# Altium PCB CFD_V1.03.PcbDoc (part 8 of 10)
Units mm, origin at the board's own origin, x right, y up, seen from the top; angles counter-clockwise.
Board outline 96.25 x 362.25 mm, 6 copper layers (Top, L2, L3, L4, L5, Bot), stack 1.496 mm thick; 1353 components, 761 nets, 4147 pads, 1354 vias.
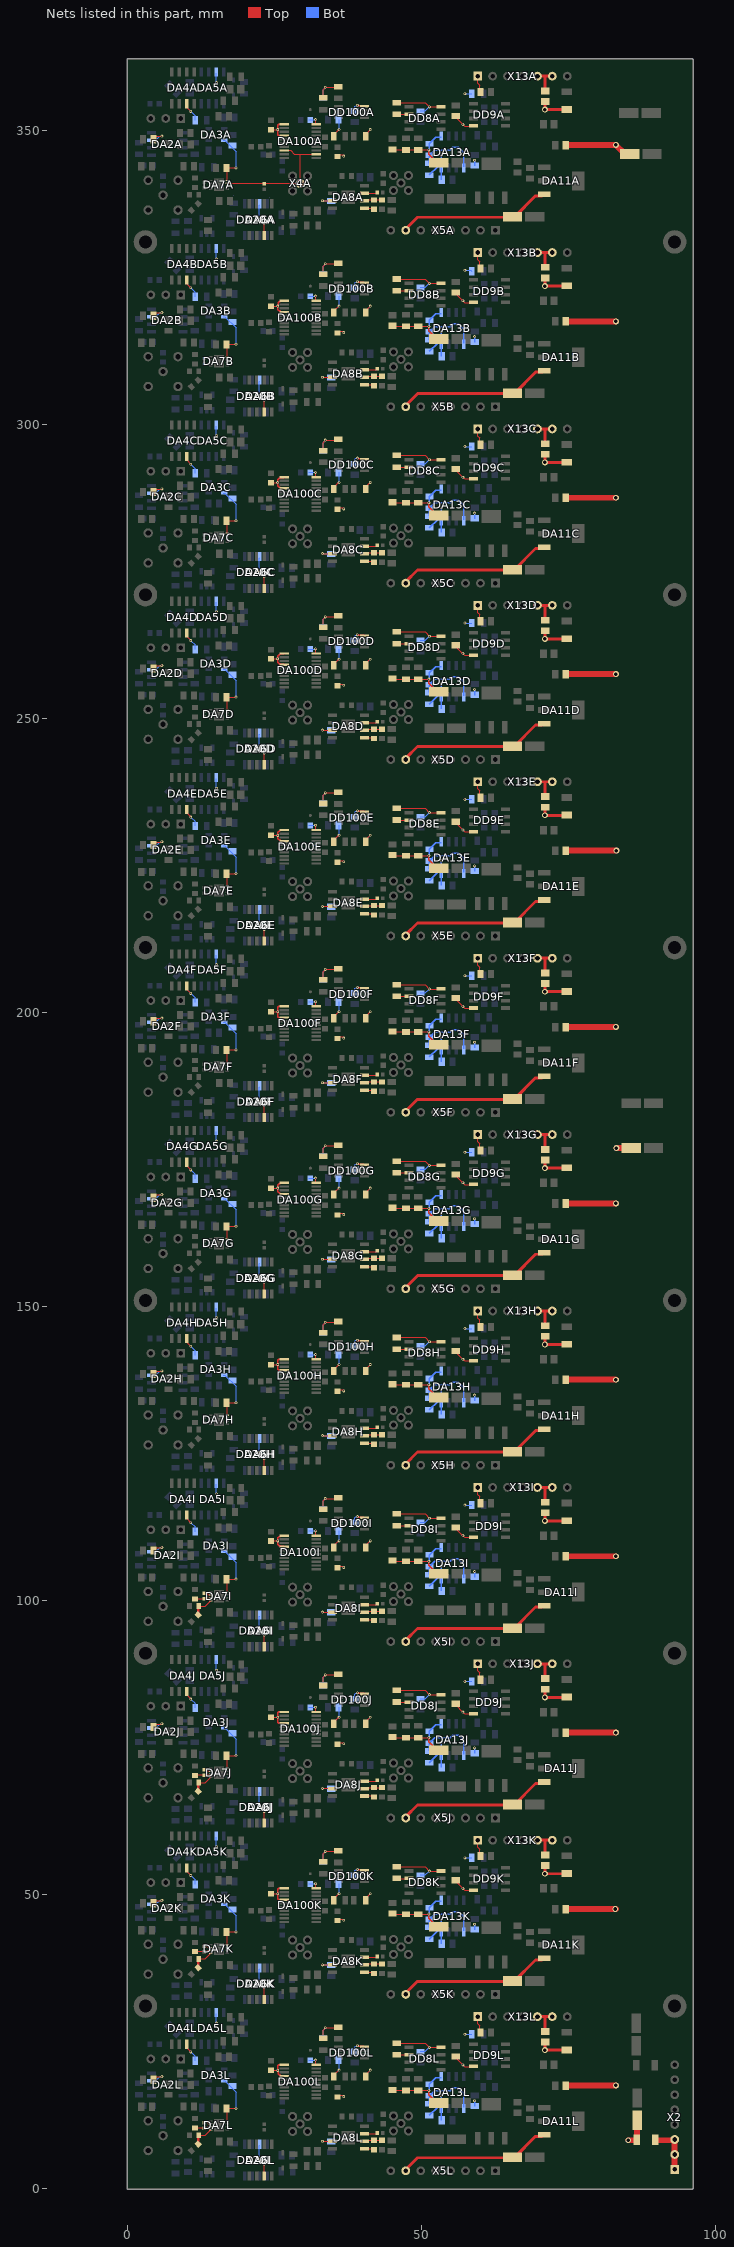
[diagram p12: the nets of this part, all layers, seen from the top]

## Via types
v1: diameter 0.48, hole 0.25, Top to Bot, tented both sides, 1301 vias
v2: diameter 1, hole 0.6, Top to Bot, tented both sides, 46 vias
v3: diameter 0.2/0.48/0.48/0.48/0.48/0.48 (per signal layer), hole 0.25, Top to Bot, tented both sides, 3 vias
v4: diameter 0.2/0/0/0/0/0.48 (per signal layer), hole 0.25, Top to Bot, tented both sides, 3 vias
v5: diameter 0.48/0.48/0.48/0.48/0.48/0.48 (per signal layer), hole 0.25, Top to Bot, tented both sides, 1 vias

## Nets (pads, with @x,y where several pads share a name; then routed paths per layer and width w, separated by ;. In a path a pad name is that pad's centre, name@x,y a point inside that pad or via, vN(x,y) a via of type N, cw(c..) or ccw(c..) an arc to the next point about the centre after c; other vN are vias at no path point) (continued)
NetDA7I_2: DA7I.2 R6I.2 | length 1.2
  Top w0.15: R6I.2@13,101.2 13.4,101.2 13.65,100.95 DA7I.2@14.1,100.95
NetDA7I_3: DA7I.3 R6I.1 R40I.2 | length 2.8
  Top w0.15: R40I.2@11.4,100.3 13,100.3 13.4,100.3 13.55,100.45 DA7I.3@14.1,100.45
NetDA7I_4: DA7I.4 R2I.2 R4I.2 | length 4.1
  Top w0.15: R2I.2@12,99 13.15,99 DA7I.4@14.1,99.95
  Top w0.4: R4I.2@12,97.415 R2I.2@12,99
NetDA7J_2: DA7J.2 R6J.2 | length 1.2
  Top w0.15: R6J.2@13,71.2 13.4,71.2 13.65,70.95 DA7J.2@14.1,70.95
NetDA7J_3: DA7J.3 R6J.1 R40J.2 | length 2.8
  Top w0.15: R40J.2@11.4,70.3 13,70.3 13.4,70.3 13.55,70.45 DA7J.3@14.1,70.45
NetDA7J_4: DA7J.4 R2J.2 R4J.2 | length 4.1
  Top w0.15: R2J.2@12,69 13.15,69 DA7J.4@14.1,69.95
  Top w0.4: R4J.2@12,67.415 R2J.2@12,69
NetDA7K_2: DA7K.2 R6K.2 | length 1.2
  Top w0.15: R6K.2@13,41.2 13.4,41.2 13.65,40.95 DA7K.2@14.1,40.95
NetDA7K_3: DA7K.3 R6K.1 R40K.2 | length 2.8
  Top w0.15: R40K.2@11.4,40.3 13,40.3 13.4,40.3 13.55,40.45 DA7K.3@14.1,40.45
NetDA7K_4: DA7K.4 R2K.2 R4K.2 | length 4.1
  Top w0.15: R2K.2@12,39 13.15,39 DA7K.4@14.1,39.95
  Top w0.4: R4K.2@12,37.415 R2K.2@12,39
NetDA7L_2: DA7L.2 R6L.2 | length 1.2
  Top w0.15: R6L.2@13,11.2 13.4,11.2 13.65,10.95 DA7L.2@14.1,10.95
NetDA7L_3: DA7L.3 R6L.1 R40L.2 | length 2.8
  Top w0.15: R40L.2@11.4,10.3 13,10.3 13.4,10.3 13.55,10.45 DA7L.3@14.1,10.45
NetDA7L_4: DA7L.4 R2L.2 R4L.2 | length 4.1
  Top w0.15: R2L.2@12,9 13.15,9 DA7L.4@14.1,9.95
  Top w0.4: R4L.2@12,7.415 R2L.2@12,9
NetDA8A_1: DA8A.1 R19A.2 | length 1.5
  Top w0.15: DA8A.1@40.225,336.721 R19A.2@41.713,336.721
NetDA8A_2: DA8A.2 R19A.1 R21A.2 | length 3.1
  Top w0.15: DA8A.2@40.225,337.991 40.384,338.151 R19A.1@41.883,338.151 R21A.2@43.235,338.151
NetDA8A_3: DA8A.3 R306A.2 | length 2.2
  Top w0.15: DA8A.3@40.225,339.261 42.235,339.261 R306A.2@42.391,339.417
NetDA8B_1: DA8B.1 R19B.2 | length 1.5
  Top w0.15: DA8B.1@40.225,306.721 R19B.2@41.713,306.721 ; R19B.2@41.833,306.551 R19B.2@41.883,306.551
NetDA8B_2: DA8B.2 R19B.1 R21B.2 | length 3.1
  Top w0.15: DA8B.2@40.225,307.991 40.384,308.151 R19B.1@41.883,308.151 R21B.2@43.235,308.151
NetDA8B_3: DA8B.3 R306B.2 | length 2.2
  Top w0.15: DA8B.3@40.225,309.261 42.235,309.261 R306B.2@42.391,309.417
NetDA8C_1: DA8C.1 R19C.2 | length 1.5
  Top w0.15: DA8C.1@40.225,276.721 R19C.2@41.713,276.721 ; R19C.2@41.833,276.551 R19C.2@41.883,276.551
NetDA8C_2: DA8C.2 R19C.1 R21C.2 | length 3.1
  Top w0.15: DA8C.2@40.225,277.991 40.384,278.151 R19C.1@41.883,278.151 R21C.2@43.234,278.151
NetDA8C_3: DA8C.3 R306C.2 | length 2.2
  Top w0.15: DA8C.3@40.225,279.261 42.235,279.262 R306C.2@42.391,279.417
NetDA8D_1: DA8D.1 R19D.2 | length 1.5
  Top w0.15: DA8D.1@40.225,246.721 R19D.2@41.713,246.721 ; R19D.2@41.833,246.551 R19D.2@41.883,246.551
NetDA8D_2: DA8D.2 R19D.1 R21D.2 | length 3.1
  Top w0.15: DA8D.2@40.225,247.991 40.384,248.151 R19D.1@41.883,248.151 R21D.2@43.234,248.151
NetDA8D_3: DA8D.3 R306D.2 | length 2.2
  Top w0.15: DA8D.3@40.225,249.261 42.235,249.262 R306D.2@42.391,249.417
NetDA8E_1: DA8E.1 R19E.2 | length 1.5
  Top w0.15: DA8E.1@40.225,216.721 R19E.2@41.713,216.721 ; R19E.2@41.833,216.551 R19E.2@41.883,216.551
NetDA8E_2: DA8E.2 R19E.1 R21E.2 | length 3.1
  Top w0.15: DA8E.2@40.225,217.991 40.384,218.151 R19E.1@41.883,218.151 R21E.2@43.234,218.151
NetDA8E_3: DA8E.3 R306E.2 | length 2.2
  Top w0.15: DA8E.3@40.225,219.261 42.235,219.262 R306E.2@42.391,219.417
NetDA8F_1: DA8F.1 R19F.2 | length 1.5
  Top w0.15: DA8F.1@40.225,186.721 R19F.2@41.713,186.721 ; R19F.2@41.833,186.551 R19F.2@41.883,186.551
NetDA8F_2: DA8F.2 R19F.1 R21F.2 | length 3.1
  Top w0.15: DA8F.2@40.225,187.991 40.384,188.151 R19F.1@41.883,188.151 R21F.2@43.234,188.151
NetDA8F_3: DA8F.3 R306F.2 | length 2.2
  Top w0.15: DA8F.3@40.225,189.261 42.235,189.262 R306F.2@42.391,189.417
NetDA8G_1: DA8G.1 R19G.2 | length 1.5
  Top w0.15: DA8G.1@40.225,156.721 R19G.2@41.713,156.721 ; R19G.2@41.833,156.551 R19G.2@41.883,156.551
NetDA8G_2: DA8G.2 R19G.1 R21G.2 | length 3.1
  Top w0.15: DA8G.2@40.225,157.991 40.384,158.151 R19G.1@41.883,158.151 R21G.2@43.234,158.151
NetDA8G_3: DA8G.3 R306G.2 | length 2.2
  Top w0.15: DA8G.3@40.225,159.261 42.235,159.262 R306G.2@42.391,159.417
NetDA8H_1: DA8H.1 R19H.2 | length 1.5
  Top w0.15: DA8H.1@40.225,126.721 R19H.2@41.713,126.721 ; R19H.2@41.833,126.551 R19H.2@41.883,126.551
NetDA8H_2: DA8H.2 R19H.1 R21H.2 | length 3.1
  Top w0.15: DA8H.2@40.225,127.991 40.384,128.151 R19H.1@41.883,128.151 R21H.2@43.234,128.151
NetDA8H_3: DA8H.3 R306H.2 | length 2.2
  Top w0.15: DA8H.3@40.225,129.261 42.235,129.262 R306H.2@42.391,129.417
NetDA8I_1: DA8I.1 R19I.2 | length 1.5
  Top w0.15: DA8I.1@40.225,96.721 R19I.2@41.713,96.721 ; R19I.2@41.833,96.551 R19I.2@41.883,96.551
NetDA8I_2: DA8I.2 R19I.1 R21I.2 | length 3.1
  Top w0.15: DA8I.2@40.225,97.991 40.384,98.151 R19I.1@41.883,98.151 R21I.2@43.234,98.151
NetDA8I_3: DA8I.3 R306I.2 | length 2.2
  Top w0.15: DA8I.3@40.225,99.261 42.235,99.262 R306I.2@42.391,99.417
NetDA8J_1: DA8J.1 R19J.2 | length 1.5
  Top w0.15: DA8J.1@40.225,66.721 R19J.2@41.713,66.721 ; R19J.2@41.833,66.551 R19J.2@41.883,66.551
NetDA8J_2: DA8J.2 R19J.1 R21J.2 | length 3.1
  Top w0.15: DA8J.2@40.225,67.991 40.384,68.151 R19J.1@41.883,68.151 R21J.2@43.234,68.151
NetDA8J_3: DA8J.3 R306J.2 | length 2.2
  Top w0.15: DA8J.3@40.225,69.261 42.235,69.262 R306J.2@42.391,69.417
NetDA8K_1: DA8K.1 R19K.2 | length 1.5
  Top w0.15: DA8K.1@40.225,36.721 R19K.2@41.713,36.721 ; R19K.2@41.833,36.551 R19K.2@41.883,36.551
NetDA8K_2: DA8K.2 R19K.1 R21K.2 | length 3.1
  Top w0.15: DA8K.2@40.225,37.991 40.384,38.151 R19K.1@41.883,38.151 R21K.2@43.234,38.151
NetDA8K_3: DA8K.3 R306K.2 | length 2.2
  Top w0.15: DA8K.3@40.225,39.261 42.235,39.262 R306K.2@42.391,39.417
NetDA8L_1: DA8L.1 R19L.2 | length 1.6
  Top w0.15: DA8L.1@40.225,6.721 41.713,6.721 R19L.2@41.798,6.636
NetDA8L_2: DA8L.2 R19L.1 R21L.2 | length 3.1
  Top w0.15: DA8L.2@40.225,7.991 40.384,8.151 R19L.1@41.883,8.151 R21L.2@43.234,8.151
NetDA8L_3: DA8L.3 R306L.2 | length 2.2
  Top w0.15: DA8L.3@40.225,9.261 42.235,9.262 R306L.2@42.391,9.417
NetDA13A_1: DA13A.1 R28A.1 R29A.2 | length 10.5
  Bot w0.25: R29A.2@51.3,344.4 51.3,345.685 51.285,345.7 52.2,346.615 54.845,346.615 55.295,347.065 56.235,347.065 57.114,346.185 DA13A.1@57.114,343.8
NetDA13B_1: DA13B.1 R28B.1 R29B.2 | length 10.5
  Bot w0.25: R29B.2@51.3,314.4 51.3,315.685 51.285,315.7 52.2,316.615 54.845,316.615 55.295,317.065 56.235,317.065 57.114,316.185 DA13B.1@57.114,313.8
NetDA13C_1: DA13C.1 R28C.1 R29C.2 | length 10.5
  Bot w0.25: R29C.2@51.3,284.4 51.3,285.685 51.285,285.7 52.2,286.615 54.845,286.615 55.295,287.065 56.235,287.065 57.114,286.185 DA13C.1@57.114,283.8
NetDA13D_1: DA13D.1 R28D.1 R29D.2 | length 10.5
  Bot w0.25: R29D.2@51.3,254.4 51.3,255.685 51.285,255.7 52.2,256.615 54.845,256.615 55.295,257.065 56.235,257.065 57.114,256.185 DA13D.1@57.114,253.8
NetDA13E_1: DA13E.1 R28E.1 R29E.2 | length 10.5
  Bot w0.25: R29E.2@51.3,224.4 51.3,225.685 51.285,225.7 52.2,226.615 54.845,226.615 55.295,227.065 56.235,227.065 57.114,226.185 DA13E.1@57.114,223.8
NetDA13F_1: DA13F.1 R28F.1 R29F.2 | length 10.5
  Bot w0.25: R29F.2@51.3,194.4 51.3,195.685 51.285,195.7 52.2,196.615 54.845,196.615 55.295,197.065 56.235,197.065 57.114,196.185 DA13F.1@57.114,193.8
NetDA13G_1: DA13G.1 R28G.1 R29G.2 | length 10.5
  Bot w0.25: R29G.2@51.3,164.4 51.3,165.685 51.285,165.7 52.2,166.615 54.845,166.615 55.295,167.065 56.235,167.065 57.114,166.185 DA13G.1@57.114,163.8
NetDA13H_1: DA13H.1 R28H.1 R29H.2 | length 10.5
  Bot w0.25: R29H.2@51.3,134.4 51.3,135.685 51.285,135.7 52.2,136.615 54.845,136.615 55.295,137.065 56.235,137.065 57.114,136.185 DA13H.1@57.114,133.8
NetDA13I_1: DA13I.1 R28I.1 R29I.2 | length 10.5
  Bot w0.25: R29I.2@51.3,104.4 51.3,105.685 51.285,105.7 52.2,106.615 54.845,106.615 55.295,107.065 56.235,107.065 57.114,106.185 DA13I.1@57.114,103.8
NetDA13J_1: DA13J.1 R28J.1 R29J.2 | length 10.5
  Bot w0.25: R29J.2@51.3,74.4 51.3,75.685 51.285,75.7 52.2,76.615 54.845,76.615 55.295,77.065 56.235,77.065 57.114,76.185 DA13J.1@57.114,73.8
NetDA13K_1: DA13K.1 R28K.1 R29K.2 | length 10.5
  Bot w0.25: R29K.2@51.3,44.4 51.3,45.685 51.285,45.7 52.2,46.615 54.845,46.615 55.295,47.065 56.235,47.065 57.114,46.185 DA13K.1@57.114,43.8
NetDA13L_1: DA13L.1 R28L.1 R29L.2 | length 10.5
  Bot w0.25: R29L.2@51.3,14.4 51.3,15.685 51.285,15.7 52.2,16.615 54.845,16.615 55.295,17.065 56.235,17.065 57.114,16.185 DA13L.1@57.114,13.8
NetDD8A_2: DD8A.2 R5A.1 | length 2.3
  Top w0.2: R5A.1@45.7,352.7 45.714,352.686 DD8A.2@48.015,352.686
NetDD8B_2: DD8B.2 R5B.1 | length 2.3
  Top w0.2: R5B.1@45.7,322.7 45.714,322.686 DD8B.2@48.015,322.686
NetDD8C_2: DD8C.2 R5C.1 | length 2.3
  Top w0.2: R5C.1@45.7,292.7 45.714,292.686 DD8C.2@48.015,292.686
NetDD8D_2: DD8D.2 R5D.1 | length 2.3
  Top w0.2: R5D.1@45.7,262.7 45.714,262.686 DD8D.2@48.015,262.686
NetDD8E_2: DD8E.2 R5E.1 | length 2.3
  Top w0.2: R5E.1@45.7,232.7 45.714,232.686 DD8E.2@48.015,232.686
NetDD8F_2: DD8F.2 R5F.1 | length 2.3
  Top w0.2: R5F.1@45.7,202.7 45.714,202.686 DD8F.2@48.015,202.686
NetDD8G_2: DD8G.2 R5G.1 | length 2.3
  Top w0.2: R5G.1@45.7,172.7 45.714,172.686 DD8G.2@48.015,172.686
NetDD8H_2: DD8H.2 R5H.1 | length 2.3
  Top w0.2: R5H.1@45.7,142.7 45.714,142.686 DD8H.2@48.015,142.686
NetDD8I_2: DD8I.2 R5I.1 | length 2.3
  Top w0.2: R5I.1@45.7,112.7 45.714,112.686 DD8I.2@48.015,112.686
NetDD8J_2: DD8J.2 R5J.1 | length 2.3
  Top w0.2: R5J.1@45.7,82.7 45.714,82.686 DD8J.2@48.015,82.686
NetDD8K_2: DD8K.2 R5K.1 | length 2.3
  Top w0.2: R5K.1@45.7,52.7 45.714,52.686 DD8K.2@48.015,52.686
NetDD8L_2: DD8L.2 R5L.1 | length 2.3
  Top w0.2: R5L.1@45.7,22.7 45.714,22.686 DD8L.2@48.015,22.686
P1V3A: C8A.2 C42A.1 C303A.2 C401A.2 DA13A.5 R3A.2 R7A.2 R28A.2 R300A.2 R301A.2 R302A.2 R303A.2 R400A.2 R403A.2 X13A.1 | length 27.7
  Top w0.2: R300A.2@33.23,355.5 33.23,356.889 33.582,357.241 v1(33.582,357.3) ; v1(33.582,357.3) 35.595,357.3 R301A.2@35.909,357.615 ; R302A.2@35.03,349 35.03,349.276 35.854,350.1 v1(35.93,350.1) ; R303A.2@40.43,349 40.43,349.337 41.192,350.1 v1(41.23,350.1) ; C8A.2@45,346.65 v1(51.215,346.65) ; X13A.1@59.5,359.2 59.5,357.986 59.811,357.675 59.811,356.619 C303A.2@59.93,356.5
  Top w0.25: v1(51.215,346.65) 51.215,345.935 C42A.1@52.7,344.45
  Bot w0.2: R400A.2@33.23,355.5 33.23,356.889 33.582,357.241 v1(33.582,357.3) ; v1(35.93,350.1) C401A.2@35.93,351.8 ; v1(57.33,356.2) R403A.2@58.53,356.2
  Bot w0.25: v1(51.215,346.65) 51.285,346.72 51.285,347.7 52.385,348.8 DA13A.5@53.304,348.8
P1V3B: C8B.2 C42B.1 C303B.2 C401B.2 DA13B.5 R3B.2 R7B.2 R28B.2 R300B.2 R301B.2 R302B.2 R303B.2 R400B.2 R403B.2 X13B.1 | length 27.7
  Top w0.2: R300B.2@33.23,325.5 33.23,326.889 33.582,327.241 v1(33.582,327.3) ; v1(33.582,327.3) 35.595,327.3 R301B.2@35.909,327.615 ; R302B.2@35.03,319 35.03,319.276 35.854,320.1 v1(35.93,320.1) ; R303B.2@40.43,319 40.43,319.337 41.192,320.1 v1(41.23,320.1) ; C8B.2@45,316.65 47.3,316.65 49.4,316.65 v1(51.215,316.65) ; X13B.1@59.5,329.2 59.5,327.986 59.811,327.675 59.811,326.619 C303B.2@59.93,326.5
  Top w0.25: v1(51.215,316.65) 51.215,315.935 C42B.1@52.7,314.45
  Bot w0.2: R400B.2@33.23,325.5 33.23,326.889 33.582,327.241 v1(33.582,327.3) ; v1(35.93,320.1) C401B.2@35.93,321.8 ; v1(57.33,326.2) 58.34,326.2 R403B.2@58.511,326.029
  Bot w0.25: v1(51.215,316.65) 51.285,316.72 51.285,317.7 52.385,318.8 DA13B.5@53.304,318.8
P1V3C: C8C.2 C42C.1 C303C.2 C401C.2 DA13C.5 R3C.2 R7C.2 R28C.2 R300C.2 R301C.2 R302C.2 R303C.2 R400C.2 R403C.2 X13C.1 | length 27.7
  Top w0.2: R300C.2@33.23,295.5 33.23,296.889 33.582,297.241 v1(33.582,297.3) ; v1(33.582,297.3) 35.595,297.3 R301C.2@35.909,297.615 ; R302C.2@35.03,289 35.03,289.276 35.854,290.1 v1(35.93,290.1) ; R303C.2@40.43,289 40.43,289.337 41.192,290.1 v1(41.23,290.1) ; C8C.2@45,286.65 47.3,286.65 49.4,286.65 v1(51.215,286.65) ; X13C.1@59.5,299.2 59.5,297.986 59.811,297.675 59.811,296.619 C303C.2@59.93,296.5
  Top w0.25: v1(51.215,286.65) 51.215,285.935 C42C.1@52.7,284.45
  Bot w0.2: R400C.2@33.23,295.5 33.23,296.889 33.582,297.241 v1(33.582,297.3) ; v1(35.93,290.1) C401C.2@35.93,291.8 ; v1(57.33,296.2) R403C.2@58.53,296.2
  Bot w0.25: v1(51.215,286.65) 51.285,286.72 51.285,287.7 52.385,288.8 DA13C.5@53.304,288.8
P1V3D: C8D.2 C42D.1 C303D.2 C401D.2 DA13D.5 R3D.2 R7D.2 R28D.2 R300D.2 R301D.2 R302D.2 R303D.2 R400D.2 R403D.2 X13D.1 | length 27.7
  Top w0.2: R300D.2@33.22,265.436 33.22,266.825 33.572,267.177 v1(33.572,267.236) ; v1@33.572,267.236 35.584,267.236 R301D.2@35.899,267.55 ; R302D.2@35.02,258.936 35.02,259.212 35.844,260.036 v1(35.92,260.036) ; R303D.2@40.42,258.936 40.42,259.273 41.182,260.036 v1(41.22,260.036) ; C8D.2@45,256.65 47.3,256.65 49.4,256.65 v1(51.215,256.65) ; X13D.1@59.5,269.2 59.5,267.986 59.811,267.675 59.811,266.619 C303D.2@59.93,266.5
  Top w0.25: v1(51.215,256.65) 51.215,255.935 C42D.1@52.7,254.45
  Bot w0.2: R400D.2@33.22,265.436 33.22,266.825 33.572,267.177 v1(33.572,267.236) ; v1(35.92,260.036) C401D.2@35.92,261.736 ; v1(57.33,266.2) R403D.2@58.53,266.2
  Bot w0.25: v1(51.215,256.65) 51.285,256.72 51.285,257.7 52.385,258.8 DA13D.5@53.304,258.8
P1V3E: C8E.2 C42E.1 C303E.2 C401E.2 DA13E.5 R3E.2 R7E.2 R28E.2 R300E.2 R301E.2 R302E.2 R303E.2 R400E.2 R403E.2 X13E.1 | length 27.7
  Top w0.2: R300E.2@33.23,235.5 33.23,236.889 33.582,237.241 v1(33.582,237.3) ; v1(33.582,237.3) 35.595,237.3 R301E.2@35.909,237.615 ; R302E.2@35.03,229 35.03,229.276 35.854,230.1 v1(35.93,230.1) ; R303E.2@40.43,229 40.43,229.337 41.192,230.1 v1(41.23,230.1) ; C8E.2@45,226.65 47.3,226.65 49.4,226.65 v1(51.215,226.65) ; X13E.1@59.5,239.2 59.5,237.986 59.811,237.675 59.811,236.619 C303E.2@59.93,236.5
  Top w0.25: v1(51.215,226.65) 51.215,225.935 C42E.1@52.7,224.45
  Bot w0.2: R400E.2@33.23,235.5 33.23,236.889 33.582,237.241 v1(33.582,237.3) ; v1(35.93,230.1) C401E.2@35.93,231.8 ; v1(57.33,236.2) R403E.2@58.53,236.2
  Bot w0.25: v1(51.215,226.65) 51.285,226.72 51.285,227.7 52.385,228.8 DA13E.5@53.304,228.8
P1V3F: C8F.2 C42F.1 C303F.2 C401F.2 DA13F.5 R3F.2 R7F.2 R28F.2 R300F.2 R301F.2 R302F.2 R303F.2 R400F.2 R403F.2 X13F.1 | length 27.7
  Top w0.2: R300F.2@33.23,205.5 33.23,206.889 33.582,207.241 v1(33.582,207.3) ; v1(33.582,207.3) 35.595,207.3 R301F.2@35.909,207.615 ; R302F.2@35.03,199 35.03,199.276 35.854,200.1 v1(35.93,200.1) ; R303F.2@40.43,199 40.43,199.337 41.192,200.1 v1(41.23,200.1) ; C8F.2@45,196.65 47.3,196.65 49.4,196.65 v1(51.215,196.65) ; X13F.1@59.5,209.2 59.5,207.986 59.811,207.675 59.811,206.619 C303F.2@59.93,206.5
  Top w0.25: v1(51.215,196.65) 51.215,195.935 C42F.1@52.7,194.45
  Bot w0.2: R400F.2@33.23,205.5 33.23,206.889 33.582,207.241 v1(33.582,207.3) ; v1(35.93,200.1) C401F.2@35.93,201.8 ; v1(57.33,206.2) R403F.2@58.53,206.2
  Bot w0.25: v1(51.215,196.65) 51.285,196.72 51.285,197.7 52.385,198.8 DA13F.5@53.304,198.8
P1V3G: C8G.2 C42G.1 C303G.2 C401G.2 DA13G.5 R3G.2 R7G.2 R28G.2 R300G.2 R301G.2 R302G.2 R303G.2 R400G.2 R403G.2 X13G.1 | length 27.7
  Top w0.2: R300G.2@33.23,175.5 33.23,176.889 33.582,177.241 v1(33.582,177.3) ; v1(33.582,177.3) 35.595,177.3 R301G.2@35.909,177.615 ; R302G.2@35.03,169 35.03,169.276 35.854,170.1 v1(35.93,170.1) ; R303G.2@40.43,169 40.43,169.337 41.192,170.1 v1(41.23,170.1) ; C8G.2@45,166.65 47.3,166.65 49.4,166.65 v1(51.215,166.65) ; X13G.1@59.5,179.2 59.5,177.986 59.811,177.675 59.811,176.619 C303G.2@59.93,176.5
  Top w0.25: v1(51.215,166.65) 51.215,165.935 C42G.1@52.7,164.45
  Bot w0.2: R400G.2@33.23,175.5 33.23,176.889 33.582,177.241 v1(33.582,177.3) ; v1(35.93,170.1) C401G.2@35.93,171.8 ; v1(57.33,176.2) R403G.2@58.53,176.2
  Bot w0.25: v1(51.215,166.65) 51.285,166.72 51.285,167.7 52.385,168.8 DA13G.5@53.304,168.8
P1V3H: C8H.2 C42H.1 C303H.2 C401H.2 DA13H.5 R3H.2 R7H.2 R28H.2 R300H.2 R301H.2 R302H.2 R303H.2 R400H.2 R403H.2 X13H.1 | length 27.7
  Top w0.2: R300H.2@33.23,145.5 33.23,146.889 33.582,147.241 v1(33.582,147.3) ; v1(33.582,147.3) 35.595,147.3 R301H.2@35.909,147.615 ; R302H.2@35.03,139 35.03,139.276 35.854,140.1 v1(35.93,140.1) ; R303H.2@40.43,139 40.43,139.337 41.192,140.1 v1(41.23,140.1) ; C8H.2@45,136.65 47.3,136.65 49.4,136.65 v1(51.215,136.65) ; X13H.1@59.5,149.2 59.5,147.986 59.811,147.675 59.811,146.619 C303H.2@59.93,146.5
  Top w0.25: v1(51.215,136.65) 51.215,135.935 C42H.1@52.7,134.45
  Bot w0.2: R400H.2@33.23,145.5 33.23,146.889 33.582,147.241 v1(33.582,147.3) ; v1(35.93,140.1) C401H.2@35.93,141.8 ; v1(57.33,146.2) R403H.2@58.53,146.2
  Bot w0.25: v1(51.215,136.65) 51.285,136.72 51.285,137.7 52.385,138.8 DA13H.5@53.304,138.8
P1V3I: C8I.2 C42I.1 C303I.2 C401I.2 DA13I.5 R3I.2 R7I.2 R28I.2 R300I.2 R301I.2 R302I.2 R303I.2 R400I.2 R403I.2 X13I.1 | length 27.7
  Top w0.2: R300I.2@33.23,115.5 33.23,116.889 33.582,117.241 v1(33.582,117.3) ; v1(33.582,117.3) 35.595,117.3 R301I.2@35.909,117.615 ; R302I.2@35.03,109 35.03,109.276 35.854,110.1 v1(35.93,110.1) ; R303I.2@40.43,109 40.43,109.337 41.192,110.1 v1(41.23,110.1) ; C8I.2@45,106.65 47.3,106.65 49.4,106.65 v1(51.215,106.65) ; X13I.1@59.5,119.2 59.5,117.986 59.811,117.675 59.811,116.619 C303I.2@59.93,116.5
  Top w0.25: v1(51.215,106.65) 51.215,105.935 C42I.1@52.7,104.45
  Bot w0.2: R400I.2@33.23,115.5 33.23,116.889 33.582,117.241 v1(33.582,117.3) ; v1(35.93,110.1) C401I.2@35.93,111.8 ; v1(57.33,116.2) R403I.2@58.53,116.2
  Bot w0.25: v1(51.215,106.65) 51.285,106.72 51.285,107.7 52.385,108.8 DA13I.5@53.304,108.8
P1V3J: C8J.2 C42J.1 C303J.2 C401J.2 DA13J.5 R3J.2 R7J.2 R28J.2 R300J.2 R301J.2 R302J.2 R303J.2 R400J.2 R403J.2 X13J.1 | length 27.7
  Top w0.2: R300J.2@33.23,85.5 33.23,86.889 33.582,87.241 v1(33.582,87.3) ; v1(33.582,87.3) 35.595,87.3 R301J.2@35.909,87.615 ; R302J.2@35.03,79 35.03,79.276 35.854,80.1 v1(35.93,80.1) ; R303J.2@40.43,79 40.43,79.337 41.192,80.1 v1(41.23,80.1) ; C8J.2@45,76.65 47.3,76.65 49.4,76.65 v1(51.215,76.65) ; X13J.1@59.5,89.2 59.5,87.986 59.811,87.675 59.811,86.619 C303J.2@59.93,86.5
  Top w0.25: v1(51.215,76.65) 51.215,75.935 C42J.1@52.7,74.45
  Bot w0.2: R400J.2@33.23,85.5 33.23,86.889 33.582,87.241 v1(33.582,87.3) ; v1(35.93,80.1) C401J.2@35.93,81.8 ; v1(57.33,86.2) R403J.2@58.53,86.2
  Bot w0.25: v1(51.215,76.65) 51.285,76.72 51.285,77.7 52.385,78.8 DA13J.5@53.304,78.8
P1V3K: C8K.2 C42K.1 C303K.2 C401K.2 DA13K.5 R3K.2 R7K.2 R28K.2 R300K.2 R301K.2 R302K.2 R303K.2 R400K.2 R403K.2 X13K.1 | length 27.7
  Top w0.2: R300K.2@33.23,55.5 33.23,56.889 33.582,57.241 v1(33.582,57.3) ; v1(33.582,57.3) 35.595,57.3 R301K.2@35.909,57.615 ; R302K.2@35.03,49 35.03,49.276 35.854,50.1 v1(35.93,50.1) ; R303K.2@40.43,49 40.43,49.337 41.192,50.1 v1(41.23,50.1) ; C8K.2@45,46.65 47.3,46.65 49.4,46.65 v1(51.215,46.65) ; X13K.1@59.5,59.2 59.5,57.986 59.811,57.675 59.811,56.619 C303K.2@59.93,56.5
  Top w0.25: v1(51.215,46.65) 51.215,45.935 C42K.1@52.7,44.45
  Bot w0.2: R400K.2@33.23,55.5 33.23,56.889 33.582,57.241 v1(33.582,57.3) ; v1(35.93,50.1) C401K.2@35.93,51.8 ; v1(57.33,56.2) R403K.2@58.53,56.2
  Bot w0.25: v1(51.215,46.65) 51.285,46.72 51.285,47.7 52.385,48.8 DA13K.5@53.304,48.8
P1V3L: C8L.2 C42L.1 C303L.2 C401L.2 DA13L.5 R3L.2 R7L.2 R28L.2 R300L.2 R301L.2 R302L.2 R303L.2 R400L.2 R403L.2 X13L.1 | length 27.7
  Top w0.2: R300L.2@33.23,25.5 33.23,26.889 33.582,27.241 v1(33.582,27.3) ; v1(33.582,27.3) 35.595,27.3 R301L.2@35.909,27.615 ; R302L.2@35.03,19 35.03,19.276 35.854,20.1 v1(35.93,20.1) ; R303L.2@40.43,19 40.43,19.337 41.192,20.1 v1(41.23,20.1) ; C8L.2@45,16.65 47.3,16.65 49.4,16.65 v1(51.215,16.65) ; X13L.1@59.5,29.2 59.5,27.986 59.811,27.675 59.811,26.619 C303L.2@59.93,26.5
  Top w0.25: v1(51.215,16.65) 51.215,15.935 C42L.1@52.7,14.45
  Bot w0.2: R400L.2@33.23,25.5 33.23,26.889 33.582,27.241 v1(33.582,27.3) ; v1(35.93,20.1) C401L.2@35.93,21.8 ; v1(57.33,26.2) R403L.2@58.53,26.2
  Bot w0.25: v1(51.215,16.65) 51.285,16.72 51.285,17.7 52.385,18.8 DA13L.5@53.304,18.8
P2V5A: C3A.2 C7A.2 DA3A.5 DA7A.8 | length 9.5
  Top w0.2: DA7A.8@16.9,341.45 16.9,343.6 17,343.7 17.1,343.6 v1(18.4,343.6)
  Bot w0.2: DA3A.5@16.2,348.3 16.48,348.3 18.4,346.38 v1(18.4,343.6)
P2V5B: C3B.2 C7B.2 DA3B.5 DA7B.8 | length 9.5
  Top w0.2: DA7B.8@16.9,311.45 16.9,313.6 17,313.7 17.1,313.6 v1(18.4,313.6)
  Bot w0.2: DA3B.5@16.2,318.3 16.48,318.3 18.4,316.38 v1(18.4,313.6)
P2V5C: C3C.2 C7C.2 DA3C.5 DA7C.8 | length 9.5
  Top w0.2: DA7C.8@16.9,281.45 16.9,283.6 17,283.7 17.1,283.6 v1(18.4,283.6)
  Bot w0.2: DA3C.5@16.2,288.3 16.48,288.3 18.4,286.38 v1(18.4,283.6)
P2V5D: C3D.2 C7D.2 DA3D.5 DA7D.8 | length 9.5
  Top w0.2: DA7D.8@16.9,251.45 16.9,253.6 17,253.7 17.1,253.6 v1(18.4,253.6)
  Bot w0.2: DA3D.5@16.2,258.3 16.48,258.3 18.4,256.38 v1(18.4,253.6)
P2V5E: C3E.2 C7E.2 DA3E.5 DA7E.8 | length 9.5
  Top w0.2: DA7E.8@16.9,221.45 16.9,223.6 17,223.7 17.1,223.6 v1(18.4,223.6)
  Bot w0.2: DA3E.5@16.2,228.3 16.48,228.3 18.4,226.38 v1(18.4,223.6)
P2V5F: C3F.2 C7F.2 DA3F.5 DA7F.8 | length 9.5
  Top w0.2: DA7F.8@16.9,191.45 16.9,193.6 17,193.7 17.1,193.6 v1(18.4,193.6)
  Bot w0.2: DA3F.5@16.2,198.3 16.48,198.3 18.4,196.38 v1(18.4,193.6)
P2V5G: C3G.2 C7G.2 DA3G.5 DA7G.8 | length 9.5
  Top w0.2: DA7G.8@16.9,161.45 16.9,163.6 17,163.7 17.1,163.6 v1(18.4,163.6)
  Bot w0.2: DA3G.5@16.2,168.3 16.48,168.3 18.4,166.38 v1(18.4,163.6)
P2V5H: C3H.2 C7H.2 DA3H.5 DA7H.8 | length 9.5
  Top w0.2: DA7H.8@16.9,131.45 16.9,133.6 17,133.7 17.1,133.6 v1(18.4,133.6)
  Bot w0.2: DA3H.5@16.2,138.3 16.48,138.3 18.4,136.38 v1(18.4,133.6)
P2V5I: C3I.2 C7I.2 DA3I.5 DA7I.8 | length 9.5
  Top w0.2: DA7I.8@16.9,101.45 16.9,103.6 17,103.7 17.1,103.6 v1(18.4,103.6)
  Bot w0.2: DA3I.5@16.2,108.3 16.48,108.3 18.4,106.38 v1(18.4,103.6)
P2V5J: C3J.2 C7J.2 DA3J.5 DA7J.8 | length 9.5
  Top w0.2: DA7J.8@16.9,71.45 16.9,73.6 17,73.7 17.1,73.6 v1(18.4,73.6)
  Bot w0.2: DA3J.5@16.2,78.3 16.48,78.3 18.4,76.38 v1(18.4,73.6)
P2V5K: C3K.2 C7K.2 DA3K.5 DA7K.8 | length 9.5
  Top w0.2: DA7K.8@16.9,41.45 16.9,43.6 17,43.7 17.1,43.6 v1(18.4,43.6)
  Bot w0.2: DA3K.5@16.2,48.3 16.48,48.3 18.4,46.38 v1(18.4,43.6)
P2V5L: C3L.2 C7L.2 DA3L.5 DA7L.8 | length 9.5
  Top w0.2: DA7L.8@16.9,11.45 16.9,13.6 17,13.7 17.1,13.6 v1(18.4,13.6)
  Bot w0.2: DA3L.5@16.2,18.3 16.48,18.3 18.4,16.38 v1(18.4,13.6)
P3V3A: C22A.1 C24A.2 C26A.2 C29A.2 C47A.2 C300A.2 C400A.2 C402A.2 DA13A.4 DA100A.1 DA100A.4 DA100A.20 DD8A.8 DD9A.8 DD100A.8 L1A.1 R5A.2 R29A.1 | length 36